# Altium PCB DTU_V1.0.PcbDoc (part 2 of 3)
Units mil, origin at the board's own origin, x right, y up, seen from the top; angles counter-clockwise.
Board outline 7874.02 x 4133.86 mil, 2 copper layers (Top Layer, Bottom Layer); 331 components, 284 nets, 1278 pads, 2035 vias.
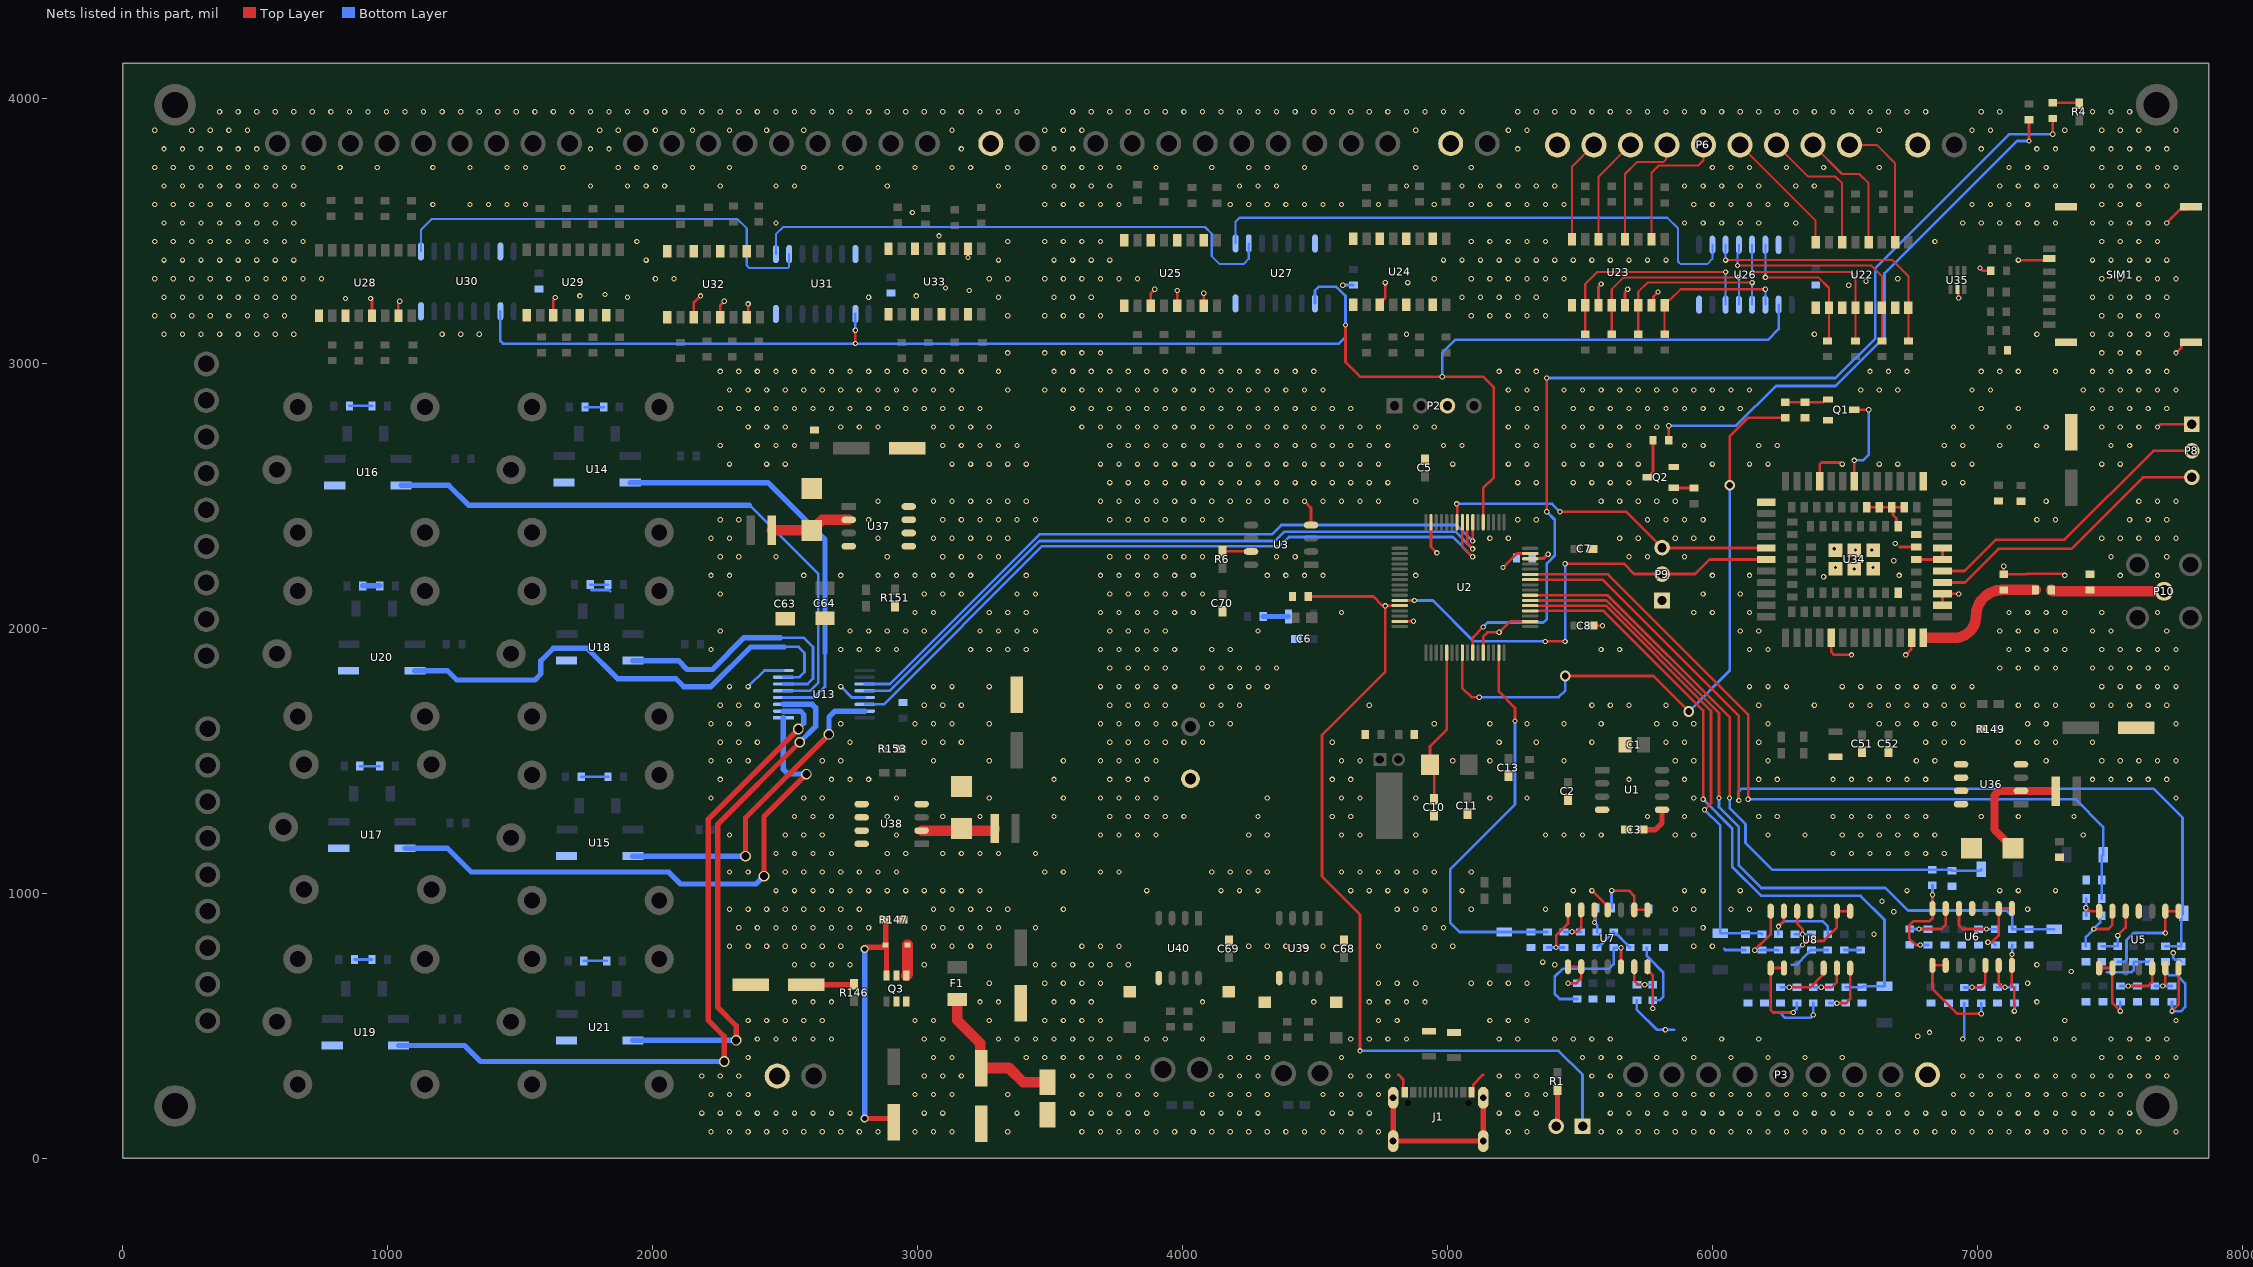
[diagram p2: the nets of this part, all layers, seen from the top]

## Via types
v1: diameter 20, hole 12, Top Layer to Bottom Layer, tented both sides, 1987 vias
v2: diameter 40, hole 25, Top Layer to Bottom Layer, tented both sides, 17 vias
v3: diameter 30, hole 20, Top Layer to Bottom Layer, tented both sides, 12 vias
v4: diameter 40, hole 30, Top Layer to Bottom Layer, tented both sides, 11 vias
v5: diameter 50, hole 30, Top Layer to Bottom Layer, tented both sides, 3 vias
v6: diameter 60, hole 50, Top Layer to Bottom Layer, tented both sides, 3 vias
v7: diameter 60, hole 40, Top Layer to Bottom Layer, tented both sides, 1 vias
v8: diameter 70, hole 50, Top Layer to Bottom Layer, tented both sides, 1 vias

## Nets (pads, with @x,y where several pads share a name; then routed paths per layer and width w, separated by ;. In a path a pad name is that pad's centre, name@x,y a point inside that pad or via, vN(x,y) a via of type N, cw(c..) or ccw(c..) an arc to the next point about the centre after c; other vN are vias at no path point) (continued)
AI_O1: C24.2 D6.1 R33.2 U2.15 | length 1527.7
  Top Layer w10: U2.15@5194.02,1908.46 5194.02,1760.98 5255,1700 v1(5255,1650)
  Bottom Layer w10: v1(5255,1650) 5255,1335 5010,1090 5010,890 5046.1,853.9 D6.1@5215,853.9 5314.84,853.9 C24.2@5315,854.06 R33.2@5377.5,854.06
AI_O2: C28.2 D8.1 R45.2 U2.20 | length 2501.1
  Top Layer w10: U2.20@5312.13,2065.94 5589.06,2065.94 5965,1690 v1(5965,1355)
  Bottom Layer w10: v1(5965,1355) 6075,1245 6075,1100 6185,990 6560,990 6650,900 D8.1@6650,648.9 6568.9,648.9 C28.2@6565,645 R45.2@6503.57,645
AI_O3: C30.2 D9.1 R51.2 U2.21 | length 1881.1
  Top Layer w10: U2.21@5312.13,2085.63 5598.16,2085.63 5995,1688.79 5995,1340 v1(5970,1315)
  Bottom Layer w10: v1(5970,1315) 6030,1255 D9.1@6030,848.9 6183.25,848.9 R51.2@6187.14,845
AI_O4: C16.2 D2.1 R9.2 U2.22 | length 2814.3
  Top Layer w10: U2.22@5312.13,2105.32 5599.69,2105.32 6025,1680 v1(6025,1360)
  Bottom Layer w10: v1(6025,1360) 6025,1325 6100,1250 6100,1105 6185,1020 6653.69,1020 6738.69,935 7110,935 7132.14,912.86 R9.2@7132.14,864.06 C16.2@7195.71,864.06 7195.87,863.9 D2.1@7290.71,863.9
AI_O5: C18.2 D3.1 R15.2 U2.23 | length 2378.8
  Top Layer w10: U2.23@5312.13,2125 5605,2125 6065,1665 v1(6065,1360)
  Bottom Layer w10: v1(6065,1360) 6065,1321.21 6125,1261.21 6125,1190 6225.94,1089.06 R15.2@6830,1089.06 6900.94,1089.06 C18.2@6905,1085 7010,1085 D3.1@7015,1090
AI_O6: C22.2 D5.1 R27.2 U2.26 | length 3627.1
  Top Layer w10: U2.26@5312.13,2184.06 5585.94,2184.06 6100,1670 v1(6100,1350)
  Bottom Layer w10: v1(6100,1350) 6100,1385 6110,1395 7665,1395 7774.45,1285.55 7774.45,920.55 7770,916.1 C22.2@7770,800 R27.2@7710,800
AI_O7: C26.2 D7.1 R39.2 U2.27 | length 3017.4
  Top Layer w10: U2.27@5312.13,2203.74 5606.26,2203.74 6135,1675 v1(6135,1355)
  Bottom Layer w10: v1(6135,1355) 7370,1355 7475,1250 D7.1@7475,1145 7470,1140 C26.2@7470,1050 R39.2@7470,980
ANT: C54.1 R139.1 U34.35 | length 512.9
  Top Layer w40: 6810,1964.72 6914.72,1964.72 ccw(c6914.72,2045) 6995,2045 cw(c7095,2045) 7095,2145 C54.1@7100,2145 R139.1@7220,2145
BOOT0: P1.1 R2.1 U2.60 | length 3271.2
  Top Layer w10: R2.1@4474.06,2120 4720,2120 4753.09,2086.91 4763.09,2086.91 v1(4765,2085) ; v1(4670,405) 4670,920 4526.57,1063.43 4526.57,1596.57 4765,1835 v1(4765,2085) ; U2.60@4820,2085.63 4765.63,2085.63 v1(4765,2085)
  Bottom Layer w10: v1(4670,405) 5420,405 5510,315 P1.1@5510,120
CP: U2.37 U26.2 U27.2 U30.2 U31.2 | length 6522.4
  Top Layer w10: v1(2765,3075) v1(2765,3125) ; v1(4615,3145) 4615,3005 4670,2950 5135,2950 5175,2910 5175,2570 5134.96,2529.96 U2.37@5134.96,2400.59
  Bottom Layer w10: U30.2@1425,3196.91 1425,3085 1435,3075 v1(2765,3075) 4590,3075 4615,3100 v1(4615,3145) 4615,3255 4580,3290 4515,3290 4500,3275 U27.2@4500,3226.91 ; v1(2765,3125) U31.2@2765,3186.91 ; v1(4980,2950) 4980,3040 5030,3090 6200,3090 6200.86,3089.14 6209.14,3089.14 6250,3130 U26.2@6250,3221.91
DBG_RXD: P8.3 U34.38 | length 1105.9
  Top Layer w10: U34.38@6868.43,2173.39 6953.39,2173.39 7080,2300 7355,2300 7625,2570 P8.3@7810,2570
DBG_TXD: P8.2 U34.39 | length 1129.3
  Top Layer w10: U34.39@6868.43,2216.69 6951.69,2216.69 7070,2335 7330,2335 7665,2670 P8.2@7810,2670
DI_0: P6.1 U22.2 | length 498.6
  Top Layer w8: P6.1@6517.36,3825 6620,3825 6690,3755 U22.2@6690,3458.03
DI_1: P6.2 U22.4 | length 492.5
  Top Layer w8: P6.2@6379.57,3825 6489.57,3715 6555,3715 6590,3680 U22.4@6590,3458.03
DI_2: P6.3 U22.6 | length 530.3
  Top Layer w8: P6.3@6241.77,3825 6361.77,3705 6465,3705 6490,3680 U22.6@6490,3458.03
DI_3: P6.4 U22.8 | length 485.4
  Top Layer w8: P6.4@6103.98,3825 6390,3538.98 U22.8@6390,3458.03
DI_4: P6.5 U23.2 | length 526.1
  Top Layer w8: U23.2@5770,3468.03 5770,3720 5797,3747 5947,3747 5966.18,3766.18 P6.5@5966.18,3825
DI_5: P6.6 U23.4 | length 481.2
  Top Layer w8: U23.4@5670,3468.03 5670,3715 5715,3760 5815,3760 5825.44,3770.44 5825.44,3822.05 P6.6@5828.39,3825
DI_6: P6.7 U23.6 | length 406.9
  Top Layer w8: U23.6@5570,3468.03 5570,3704.41 P6.7@5690.59,3825
DI_7: P6.8 U23.8 | length 391.3
  Top Layer w8: U23.8@5470,3468.03 5470,3742.2 P6.8@5552.8,3825
DI_IN0: R72.2 U22.16 U26.11 | length 1017.9
  Top Layer w8: v1(6050,3390) 6680,3390 6740,3330 U22.16@6740,3210 R72.2@6740,3085
  Bottom Layer w8: v1(6050,3390) U26.11@6050,3448.09
DI_IN1: R76.2 U22.14 U26.12 | length 886.7
  Top Layer w8: v1(6095,3370) 6600,3370 6640,3330 U22.14@6640,3210 R76.2@6640,3085
  Bottom Layer w8: v1(6095,3370) 6095,3415.96 6100,3420.96 U26.12@6100,3448.09
DI_IN2: R80.2 U22.12 U26.13 | length 741.4
  Top Layer w8: v1(6150,3345) 6520,3345 6540,3325 U22.12@6540,3210 R80.2@6540,3085
  Bottom Layer w8: v1(6150,3345) U26.13@6150,3448.09
DI_IN3: R84.2 U22.10 U26.14 | length 581.7
  Top Layer w8: v1(6200,3325) 6400,3325 6440,3285 U22.10@6440,3210 6440,3090 R84.2@6435,3085
  Bottom Layer w8: v1(6200,3325) U26.14@6200,3448.09
DI_IN4: R74.2 U23.16 U26.3 | length 577.6
  Top Layer w8: R74.2@5820,3110 U23.16@5820,3220 5820,3227.87 5831.75,3239.62 5839.62,3239.62 5880,3280 v1(6200,3280)
  Bottom Layer w8: U26.3@6200,3221.91 v1(6200,3280)
DI_IN5: R78.2 U23.14 U26.4 | length 687.6
  Top Layer w8: R78.2@5720,3110 U23.14@5720,3220 5720,3270 5755,3305 v1(6150,3305)
  Bottom Layer w8: U26.4@6150,3221.91 v1(6150,3305)
DI_IN6: R82.2 U23.12 U26.5 | length 771.7
  Top Layer w8: R82.2@5620,3110 U23.12@5620,3220 5620,3280 5665,3325 v1(6100,3325)
  Bottom Layer w8: U26.5@6100,3221.91 v1(6100,3325)
DI_IN7: R86.2 U23.10 U26.6 | length 861.7
  Top Layer w8: R86.2@5520,3110 U23.10@5520,3220 5520,3300 5565,3345 v1(6050,3345)
  Bottom Layer w8: U26.6@6050,3221.91 v1(6050,3345)
DO_0: U13.15 U15.2 | length 1224.9
  Top Layer w20: v4(2350,1140) 2350,1285 v4(2665,1600)
  Bottom Layer w20: U15.2@1925,1140 v4(2350,1140) ; v4(2665,1600) 2665,1665 2687.59,1687.59 U13.15@2800.09,1687.59
DO_1: U13.1 U17.2 | length 2163.7
  Top Layer w20: v4(2420,1065) 2420,1290 v4(2580,1450)
  Bottom Layer w20: U17.2@1065,1170 1225,1170 1315,1080 2060,1080 2105,1035 2390,1035 v4(2420,1065) ; U13.1@2493,1662 2493,1467 2510,1450 v4(2580,1450)
DO_2: U13.2 U19.2 | length 2821
  Top Layer w20: v4(2270,365) 2270,460 2210,520 2210,1280 v4(2550,1620)
  Bottom Layer w20: U19.2@1040,425 1290,425 1350,365 v4(2270,365) ; U13.2@2493,1687.59 2557.41,1687.59 2570,1675 2570,1641.72 2550,1621.72 v4(2550,1620)
DO_3: U13.3 U21.2 | length 1954.7
  Top Layer w20: v4(2315,445) 2315,500 2245,570 2245,1260 v4(2555,1570)
  Bottom Layer w20: U21.2@1925,445 v4(2315,445) ; U13.3@2493,1713.18 2601.82,1713.18 2615,1700 2615,1630 v4(2555,1570)
DO_4: U13.4 U14.2 | length 1553.1
  Bottom Layer w10: U13.4@2493,1738.77 2608.77,1738.77 2650,1780 2650,1907.24
  Bottom Layer w20: U14.2@1915,2550 2435,2550 2650,2335 2650,1907.24
DO_5: U13.5 U16.2 | length 2268.5
  Bottom Layer w10: 2365,2465 2625,2205 2625,1795 2594.36,1764.36 U13.5@2493,1764.36
  Bottom Layer w20: U16.2@1050,2540 1230,2540 1305,2465 2365,2465
DO_6: U13.6 U18.2 | length 998.2
  Bottom Layer w10: 2482.22,1965 2570,1965 2605,1930 2605,1810 2584.95,1789.95 U13.6@2493,1789.95
  Bottom Layer w20: U18.2@1925,1878 2097,1878 2130,1845 2225,1845 2345,1965 2482.22,1965
DO_7: U13.7 U20.2 | length 1856.3
  Bottom Layer w10: U13.7@2493,1815.54 2553.92,1815.54 2572.77,1834.39 2572.77,1907.23 2550,1930 2497.53,1930
  Bottom Layer w20: U20.2@1102.09,1840 1225,1840 1260.07,1804.93 1554.93,1804.93 1577.45,1827.45 1577.45,1877.45 1625,1925 1751.72,1925 1866.72,1810 2087.05,1810 2117.05,1780 2220,1780 2370,1930 2497.53,1930
DS1: U26.10 U27.9 | length 2095.2
  Bottom Layer w8: U27.9@4200,3453.09 4200,3535 4215,3550 5830,3550 5870,3510 5870,3385 5880,3375 5980,3375 6000,3395 U26.10@6000,3448.09
DS2: U30.9 U31.10 | length 1697.3
  Bottom Layer w8: U30.9@1125,3423.09 1125,3505 1165,3545 2320,3545 2355,3510 2355,3370 2365,3360 2510,3360 2515,3365 U31.10@2515,3413.09
DS3: U27.10 U31.9 | length 2044.7
  Bottom Layer w8: U31.9@2465,3413.09 2465,3487.11 2492.89,3515 4084.93,3515 4110,3489.93 4110,3405 4140,3375 4230,3375 4250,3395 U27.10@4250,3453.09
EARTH: J1.1 | length 666.9
  Top Layer w20: J1.1@4794.92,228 J1.1@4794.92,64.62 J1.1@5135.08,64.62 J1.1@5135.08,228
GND: C1.1 C2.1 C3.2 C4.2 C5.1 C6.1 C7.1 C8.1 C9.2 C10.2 C11.2 C12.2 C13.1 C14.2 C15.1 C16.1 C17.1 C18.1 C19.1 C20.1 C21.1 C22.1 C23.1 C24.1 C25.1 C26.1 C27.1 C28.1 C29.1 C30.1 C33.2 C44.1 C45.1 C46.1 C47.1 C48.2 C49.1 C50.1 C51.1 C52.1 C53.2 C54.2 C55.1 C56.2 C57.2 C59.1 C60.2 C61.2 C62.2 C63.2 C64.2 C65.2 C66.1 C67.2 C68.2 C69.2 C70.1 D19.1 D20.1 D21.1 D22.1 D24.1 D25.1 D26.1 D27.1 D28.1 D29.1 D30.1 J1.A1 J1.A12 J1.B1 J1.B12 P2.3 P3.9 P6.9 P8.1 P9.1 P11.2 P13.2 P15.2 P16.1 Q1.2 Q2.2 R2.2 R8.1 R11.2 R12.2 R14.1 R18.2 R19.2 R20.1 R23.2 R24.2 R26.1 R30.2 R31.2 R32.1 R35.2 R36.2 R38.1 R42.2 R43.2 R44.1 R47.2 R48.2 R50.1 R53.2 R54.2 R136.1 R147.1 R149.1 R151.1 R153.1 SIM1.0 SIM1.5 U1.4 U2.12 U2.18 U2.31 U2.47 U2.63 U3.4 U5.11 U6.11 U7.11 U8.11 U13.8 U13.13 U14.3 U15.3 U16.3 U17.3 U18.3 U19.3 U20.3 U21.3 U22.9 U22.11 U22.13 U22.15 U23.9 U23.11 U23.13 U23.15 U24.2 U24.4 U24.6 U24.8 U24.9 U24.11 U24.13 U24.15 U25.2 U25.4 U25.6 U25.8 U25.9 U25.11 U25.13 U25.15 U26.8 U26.15 U27.8 U27.15 U28.9 U28.11 U28.13 U28.15 U29.9 U29.11 U29.13 U29.15 U30.8 U30.15 U31.8 U31.15 U32.2 U32.4 U32.6 U32.8 U32.9 U32.11 U32.13 U32.15 U33.2 U33.4 U33.6 U33.8 U33.9 U33.11 U33.13 U33.15 U34.1 U34.10 U34.27 U34.34 U34.36 U34.37 U34.40 U34.41 U34.45 U34.46 U34.47 U34.48 U34.70 U34.71 U34.72 U34.73 U34.88 U34.89 U34.90 U34.91 U34.92 U34.93 U34.94 U34.95 U35.2 U36.4 U36.5 U36.6 U36.7 U36.8 U37.4 U37.5 U37.6 U37.7 U37.8 U38.4 U38.5 U38.6 U38.7 U38.8 U39.5 U40.5 | length 5145.6
  Top Layer w10: v1(935,3245) 935,3242.29 940,3237.29 U28.13@940,3180 ; U28.15@1040,3180 1040,3227.29 1045,3232.29 v1(1045,3235) ; U29.11@1625,3181.97 1625,3238.87 1632.15,3246.02 v1(1632.15,3248.72) ; U32.11@2155,3175 2155,3230 v1(2180,3255) ; U32.13@2255,3175 2255,3220 v1(2270,3235) ; U32.15@2355,3175 2360,3180 v1(2360,3225) ; v1(3190,3400) U33.2@3190,3433.03 ; U25.11@3880,3216.97 3880,3265 v1(3895,3280) ; U25.13@3980,3216.97 v1(3980,3275) ; U25.15@4080,3216.97 v1(4080,3265) ; v1(4460,2480) 4485,2455 U3.4@4485,2390 ; U24.11@4745,3221.97 4745,3229.84 4755.75,3240.59 4759.14,3240.59 4765,3246.45 v1(4765,3305) ; 4815,315 4833.11,296.89 J1.B12@4833.11,249 J1.A1@4844.92,249 ; U2.63@4820,2026.57 v1(4871.57,2026.57) ; U2.47@4938.11,2400.59 4938.11,2306.89 v1(4960,2285) ; J1.B1@5085.08,249 J1.A12@5096.89,249 5096.89,276.89 5135,315 ; U2.12@5134.96,1908.46 5134.96,1969.61 5150.36,1985 v1(5195,1985) 5236.57,2026.57 U2.18@5312.13,2026.57 ; v1(5210,2230) 5262.48,2282.48 U2.31@5312.13,2282.48 ; v1(5545,1010) 5594.17,960.83 5594.5,960.83 5605,950.33 U7.11@5605,937.28 ; C8.1@5545.98,2010 v1(5585,2010) ; U23.11@5570,3220 5570,3289.14 5580,3299.14 v1(5580,3300) ; U23.13@5670,3220 5670,3269.14 5680,3279.14 v1(5680,3280) ; U23.15@5770,3220 5777.76,3227.76 5777.76,3252.76 v1(5795,3270) ; U34.10@6405.83,2555.28 6405.83,2619.97 6411.69,2625.83 6481.46,2625.83 6487.29,2620 v1(6490,2620) ; U34.27@6449.14,1964.72 6449.14,1910.86 6460,1900 v1(6525,1900) ; U34.48@6582.99,2456.85 U34.47@6630.24,2456.85 U34.46@6677.48,2456.85 ; U34.73@6701.1,2385.98 6695.22,2391.86 6695.22,2414.78 6681.98,2428.02 6681.98,2452.35 U34.46@6677.48,2456.85 ; 6707.76,2307.24 U34.71@6770,2307.24 ; U34.45@6724.73,2456.85 U34.46@6677.48,2456.85 ; v1(6730,1900) 6750.14,1920.14 6750.14,1962.57 U34.34@6752.29,1964.72 ; U34.70@6770,2260 U34.40@6868.43,2260 U34.41@6868.43,2303.31 ; U34.36@6868.43,2086.77 U34.37@6868.43,2130.08 v1(6929.92,2130.08) ; U35.2@6925,3278.58 6927.87,3275.71 6927.87,3251.88 6930.2,3249.56 v1(6930.2,3246.85) ; v1(7010,3360) 7020,3350 C55.1@7050.94,3350 ; v1(7100,2234.66) C54.2@7100,2204.06 7184.9,2204.06 7187.58,2206.73 7320.56,2206.73 7327.29,2200 v1(7330,2200) ; v1(7155,3390) 7265.67,3390 SIM1.5@7271.42,3395.75 ; v1(7680,2760) 7680.86,2760 7690.86,2770 P8.1@7810,2770 ; v1(7715,3530) 7767.64,3582.64 7798.66,3582.64 SIM1.0@7807.44,3591.42 ; v1(7750,3040) 7771.1,3061.1 7771.1,3071.22 7779.88,3080 SIM1.0@7807.44,3080
  Bottom Layer w10: v1(2360,1780) 2421.13,1841.13 U13.8@2493,1841.13 ; v1(2710,1780) 2751.23,1738.77 U13.13@2800.09,1738.77 ; v1(4605,3295) 4605.94,3295.94 C46.1@4645,3295.94 ; R35.2@5565,795 5573.78,803.78 5577.22,803.78 5615.77,842.32 5615.77,845.28 5624.55,854.06 R23.2@5627.5,854.06 5636.28,845.28 5639.72,845.28 5678.27,806.73 5678.27,803.78 5687.05,795 C23.1@5690,795 ; R20.1@5715,595.94 5715,560 5790,485 5855,485 ; 6045,790 6049.06,785.94 C30.1@6125,785.94 ; 6255,550 6275,530 6369.86,530 6380.57,540.71 v1(6380.71,540.71) R44.1@6380.71,585.94 ; 6300,730 6317.63,730 6361.84,774.21 6361.84,777.17 6370.62,785.94 R53.2@6373.57,785.94 R50.1@6435.71,785.94 ; R54.2@6497.86,785.94 C29.1@6560,785.94 ; v1(6945,450) 6945,452.71 6950.71,458.42 R11.2@6950.71,585 ; 7488.27,702.17 7582.17,702.17 7590,710 C25.1@7590,740.94 R43.2@7650,740.94 ; v1(7740,775) 7740,755 7746.16,748.83 7762.11,748.83 C22.1@7770,740.94
  other v1: 2220,100 2290,100 2360,100 2430,100 2500,100 2570,100 2640,100 2710,100 2780,100 2850,100 2990,100 3060,100 3130,100 3340,100 3620,100 3690,100 3760,100 3830,100 3900,100 3970,100 4040,100 4110,100 4180,100 4250,100 4320,100 4390,100 4460,100 4530,100 4600,100 4670,100 4740,100 5230,100 5300,100 5580,100 5650,100 5720,100 5790,100 5860,100 5930,100 6000,100 6070,100 6140,100 6210,100 6280,100 6350,100 6420,100 6490,100 6560,100 6630,100 6700,100 6770,100 6840,100 6910,100 6980,100 7050,100 7120,100 7190,100 7260,100 7330,100 7400,100 7470,100 7540,100 7610,100 7750,100 2185,170 2255,170 2325,170 2395,170 2465,170 2535,170 2605,170 2675,170 2745,170 3025,170 3095,170 3375,170 3585,170 3655,170 3725,170 3795,170 3865,170 4075,170 4145,170 4215,170 4285,170 4565,170 4635,170 4705,170 5195,170 5265,170 5335,170 5615,170 5685,170 5755,170 5825,170 5895,170 5965,170 6035,170 6105,170 6175,170 6245,170 6315,170 6385,170 6455,170 6525,170 6595,170 6665,170 6735,170 6805,170 6875,170 6945,170 7015,170 7085,170 7155,170 7225,170 7295,170 7365,170 7435,170 7505,170 7575,170 2220,240 2290,240 2360,240 2990,240 3060,240 3130,240 3340,240 3620,240 3690,240 3760,240 3830,240 3900,240 4110,240 4180,240 4250,240 4320,240 4530,240 4600,240 4670,240 4740,240 5230,240 5300,240 5370,240 5580,240 5650,240 5720,240 5790,240 5860,240 5930,240 6000,240 6070,240 6140,240 6210,240 6280,240 6350,240 6420,240 6490,240 6560,240 6630,240 6700,240 6910,240 6980,240 7050,240 7120,240 7190,240 7260,240 7330,240 7400,240 7470,240 7540,240 2185,310 2255,310 2325,310 3025,310 3095,310 3165,310 3585,310 3655,310 3725,310 3795,310 4145,310 4215,310 4285,310 4635,310 4705,310 4775,310 5195,310 5265,310 5335,310 5545,310 5615,310 6945,310 7015,310 7085,310 7155,310 7225,310 7295,310 7365,310 7435,310 7505,310 7575,310 7645,310 7715,310 2360,380 3060,380 3130,380 3410,380 3480,380 3550,380 3620,380 3690,380 3760,380 3830,380 4180,380 4250,380 4320,380 4600,380 5510,380 5580,380 5650,380 5790,380 5930,380 6070,380 6210,380 6350,380 6490,380 7470,380 7540,380 7610,380 7680,380 7750,380 2395,450 2465,450 2535,450 2605,450 2675,450 3025,450 3095,450 3305,450 3375,450 3445,450 3515,450 3585,450 3655,450 3725,450 3865,450 3935,450 4075,450 4635,450 4705,450 4775,450 4845,450 5195,450 5265,450 5405,450 5475,450 5545,450 5615,450 5895,450 6035,450 6175,450 7015,450 7085,450 7155,450 7295,450 7365,450 7505,450 7575,450 7645,450 7715,450 6775,460 6820,475 5822.5,485 2360,520 2430,520 2500,520 2570,520 2640,520 2990,520 3060,520 3270,520 3480,520 3550,520 3620,520 3690,520 4740,520 4810,520 5160,520 5230,520 5300,520 7330,520 7750,520 2535,590 2605,590 2675,590 3235,590 3305,590 3515,590 3585,590 3655,590 4075,590 4495,590 4705,590 4775,590 4845,590 4915,590 7225,590 3270,660 3480,660 3550,660 3620,660 3690,660 4740,660 4810,660 4880,660 5090,660 5160,660 5230,660 5300,660 7190,660 7355,705 2535,730 2605,730 2675,730 2745,730 3025,730 3445,730 3515,730 3585,730 3655,730 3725,730 3795,730 5405,730 7225,730 5360,740 2290,800 2360,800 2430,800 2500,800 2570,800 2640,800 2710,800 3060,800 3130,800 3200,800 3270,800 3620,800 3690,800 3760,800 4250,800 4320,800 4390,800 4460,800 4530,800 4740,800 4950,800 5020,800 5930,800 6000,800 6610,845 2325,870 2395,870 2465,870 2535,870 2605,870 2675,870 2745,870 2815,870 3025,870 3095,870 3165,870 3235,870 3305,870 3445,870 4915,870 4985,870 5965,870 6685,930 2290,940 2360,940 2430,940 2500,940 2570,940 2640,940 2710,940 2780,940 3060,940 3130,940 3200,940 3270,940 3340,940 3550,940 4810,940 4880,940 4950,940 5090,940 5370,940 5860,940 5930,940 6070,940 6140,940 7190,940 6640,970 2465,1010 2535,1010 2605,1010 2675,1010 2745,1010 2815,1010 2885,1010 2955,1010 3025,1010 3095,1010 3165,1010 3235,1010 3865,1010 4145,1010 4215,1010 4285,1010 4635,1010 4705,1010 4775,1010 4845,1010 4915,1010 5055,1010 5475,1010 5895,1010 5965,1010 6105,1010 6735,1010 7085,1010 7155,1010 7295,1010 2290,1080 2360,1080 2500,1080 2570,1080 2640,1080 2710,1080 2780,1080 2850,1080 2920,1080 3480,1080 3550,1080 3690,1080 3760,1080 4110,1080 4180,1080 4250,1080 4320,1080 4600,1080 4670,1080 4740,1080 4810,1080 4880,1080 4950,1080 5090,1080 2465,1150 2535,1150 2605,1150 2675,1150 2885,1150 2955,1150 3095,1150 3165,1150 3235,1150 3305,1150 3445,1150 6455,1150 6525,1150 6595,1150 6665,1150 6735,1150 6805,1150 6875,1150 2290,1220 2500,1220 2570,1220 2640,1220 2920,1220 3690,1220 3760,1220 3830,1220 3900,1220 4250,1220 4320,1220 4600,1220 4670,1220 4880,1220 5370,1220 5440,1220 5510,1220 5580,1220 5860,1220 5930,1220 6210,1220 6350,1220 6490,1220 6560,1220 6630,1220 6700,1220 6770,1220 6840,1220 7400,1220 2535,1290 2605,1290 2675,1290 2885,1290 3095,1290 3235,1290 3515,1290 3725,1290 3795,1290 3865,1290 3935,1290 4005,1290 4285,1290 4565,1290 4635,1290 5755,1290 5895,1290 6175,1290 6245,1290 6455,1290 6525,1290 6595,1290 6665,1290 6735,1290 6805,1290 7015,1290 7155,1290 7365,1290 2220,1360 2570,1360 2640,1360 2920,1360 3270,1360 3550,1360 3690,1360 3760,1360 3830,1360 3900,1360 4320,1360 4600,1360 4670,1360 4880,1360 5160,1360 5300,1360 5930,1360 7750,1360 2255,1430 2675,1430 2745,1430 2815,1430 3515,1430 3725,1430 3795,1430 3865,1430 4565,1430 4635,1430 5685,1430 5895,1430 6175,1430 6245,1430 6455,1430 6525,1430 6595,1430 6665,1430 6735,1430 6805,1430 7435,1430 7505,1430 7575,1430 7645,1430 7715,1430 2220,1500 2290,1500 2360,1500 2640,1500 2710,1500 3060,1500 3270,1500 3550,1500 3690,1500 3760,1500 3830,1500 3900,1500 4600,1500 4670,1500 5020,1500 5160,1500 5440,1500 5860,1500 5930,1500 6210,1500 6770,1500 6840,1500 7260,1500 7470,1500 7540,1500 7610,1500 7680,1500 7750,1500 2255,1570 2325,1570 2395,1570 2745,1570 3025,1570 3095,1570 3165,1570 3725,1570 3795,1570 3865,1570 3935,1570 4005,1570 4075,1570 4565,1570 5195,1570 5335,1570 5545,1570 5825,1570 5895,1570 6175,1570 6805,1570 6875,1570 6945,1570 7155,1570 7225,1570 7295,1570 7435,1570 2220,1640 2290,1640 2360,1640 2710,1640 2990,1640 3060,1640 3130,1640 3270,1640 3690,1640 3760,1640 3830,1640 3900,1640 3970,1640 4110,1640 4180,1640 4950,1640 5160,1640 5300,1640 5440,1640 5580,1640 5790,1640 5860,1640 5930,1640 6210,1640 6630,1640 6700,1640 6770,1640 6840,1640 6910,1640 7190,1640 7260,1640 7750,1640 2255,1710 2325,1710 2395,1710 3025,1710 3095,1710 3165,1710 3725,1710 3795,1710 3865,1710 3935,1710 4075,1710 4145,1710 4215,1710 4705,1710 5545,1710 5615,1710 5685,1710 5825,1710 6175,1710 6385,1710 6525,1710 6595,1710 6665,1710 6735,1710 6805,1710 6875,1710 6945,1710 7155,1710 7225,1710 7295,1710 7435,1710 7505,1710 7575,1710 7645,1710 7715,1710 2290,1780 3060,1780 3130,1780 3270,1780 3690,1780 3760,1780 3830,1780 3900,1780 3970,1780 4110,1780 4180,1780 4250,1780 4320,1780 6140,1780 6210,1780 6280,1780 6490,1780 6560,1780 6630,1780 6700,1780 6770,1780 6840,1780 6910,1780 6980,1780 7470,1780 7540,1780 7610,1780 7680,1780 7750,1780 3725,1850 3795,1850 3865,1850 3935,1850 4075,1850 4145,1850 4215,1850 4285,1850 4355,1850 7085,1850 7155,1850 7225,1850 7295,1850 7435,1850 7505,1850 7575,1850 7645,1850 7715,1850 2220,1920 2710,1920 2780,1920 2850,1920 2920,1920 3200,1920 3270,1920 3340,1920 3410,1920 3690,1920 3760,1920 3830,1920 3900,1920 3970,1920 4110,1920 4180,1920 5580,1920 5650,1920 6140,1920 6210,1920 7120,1920 7190,1920 7260,1920 7330,1920 7470,1920 7540,1920 7610,1920 7680,1920 7750,1920 2255,1990 2745,1990 2815,1990 2885,1990 2955,1990 3025,1990 3235,1990 3305,1990 3375,1990 3445,1990 3725,1990 3795,1990 3865,1990 3935,1990 4285,1990 6105,1990 6175,1990 7085,1990 7155,1990 7225,1990 7295,1990 7435,1990 7505,1990 7715,1990 2990,2060 3060,2060 3270,2060 3340,2060 3410,2060 3690,2060 3760,2060 3830,2060 3900,2060 3970,2060 4040,2060 4600,2060 5930,2060 6000,2060 6140,2060 7120,2060 7190,2060 7260,2060 7330,2060 7470,2060 7680,2060 2255,2130 3025,2130 3095,2130 3165,2130 3375,2130 3445,2130 3725,2130 3795,2130 3865,2130 3935,2130 4005,2130 4075,2130 5965,2130 6105,2130 6420,2195 2220,2200 2290,2200 2570,2200 2710,2200 2850,2200 2920,2200 2990,2200 3060,2200 3130,2200 3200,2200 3410,2200 3690,2200 3760,2200 3830,2200 3900,2200 3970,2200 4040,2200 4320,2200 4390,2200 4460,2200 4530,2200 4880,2200 6000,2200 6140,2200 6705,2200 7540,2200 7680,2200 6535.75,2224.57 6464.88,2229.57 6606.62,2229.57 6685,2255 2255,2270 2325,2270 2465,2270 2885,2270 3095,2270 3165,2270 3235,2270 3305,2270 3725,2270 3795,2270 3865,2270 3935,2270 4005,2270 4075,2270 4355,2270 4425,2270 5685,2270 5755,2270 5895,2270 7505,2270 7715,2270 6540.75,2295.43 6601.62,2295.43 6459.88,2300.43 6690,2320 2220,2340 2290,2340 2850,2340 3060,2340 3130,2340 3200,2340 3270,2340 3340,2340 5160,2340 5230,2340 5650,2340 5720,2340 5860,2340 5930,2340 6000,2340 7470,2340 7540,2340 7610,2340 7680,2340 7750,2340 2255,2410 2325,2410 2815,2410 3095,2410 3165,2410 3235,2410 3305,2410 3375,2410 3445,2410 3725,2410 3795,2410 3865,2410 3935,2410 4005,2410 4075,2410 4145,2410 5265,2410 5335,2410 5755,2410 5825,2410 5895,2410 5965,2410 7225,2410 7295,2410 7575,2410 7645,2410 7715,2410 2850,2480 3060,2480 3130,2480 3200,2480 3270,2480 3340,2480 3410,2480 3690,2480 3760,2480 3830,2480 3900,2480 3970,2480 4040,2480 4110,2480 4180,2480 4250,2480 4320,2480 4390,2480 4530,2480 4600,2480 4670,2480 4740,2480 4880,2480 5580,2480 5650,2480 5720,2480 5790,2480 5860,2480 7260,2480 7610,2480 7680,2480 7750,2480 3725,2550 3795,2550 3865,2550 3935,2550 4005,2550 4075,2550 4145,2550 4215,2550 4285,2550 4355,2550 4425,2550 4495,2550 4565,2550 4635,2550 4705,2550 4775,2550 5265,2550 5335,2550 5475,2550 5545,2550 5615,2550 5685,2550 6875,2550 6945,2550 2290,2620 2430,2620 2500,2620 3130,2620 3200,2620 3270,2620 3340,2620 3410,2620 3690,2620 3760,2620 3830,2620 3900,2620 3970,2620 4040,2620 4110,2620 4180,2620 4250,2620 4320,2620 4390,2620 4460,2620 4530,2620 4600,2620 4670,2620 4740,2620 5020,2620 5230,2620 5300,2620 5440,2620 5510,2620 5580,2620 5650,2620 5720,2620 6000,2620 6140,2620 6210,2620 6630,2620 6700,2620 6910,2620 6980,2620 7470,2620 7540,2620 2255,2690 2395,2690 2465,2690 2535,2690 3095,2690 3165,2690 3235,2690 3305,2690 3375,2690 3725,2690 3795,2690 3865,2690 3935,2690 4005,2690 4075,2690 4145,2690 4215,2690 4285,2690 4355,2690 4425,2690 4495,2690 4565,2690 4635,2690 4705,2690 4775,2690 4985,2690 5055,2690 5265,2690 5335,2690 5475,2690 5545,2690 5615,2690 5685,2690 5895,2690 5965,2690 6175,2690 6245,2690 6875,2690 6945,2690 7085,2690 7225,2690 7505,2690 7575,2690 2360,2760 2430,2760 2500,2760 2710,2760 2780,2760 2850,2760 3060,2760 3130,2760 3200,2760 3270,2760 3620,2760 3690,2760 3760,2760 3830,2760 3900,2760 3970,2760 4040,2760 4110,2760 4180,2760 4250,2760 4320,2760 4390,2760 4460,2760 4530,2760 4600,2760 4670,2760 4740,2760 4880,2760 4950,2760 5230,2760 5300,2760 5440,2760 5510,2760 5580,2760 5650,2760 5720,2760 5790,2760 6910,2760 6980,2760 7120,2760 7260,2760 7470,2760 7540,2760 7610,2760 2255,2830 2325,2830 2395,2830 2465,2830 2535,2830 2605,2830 2675,2830 2745,2830 2815,2830 2885,2830 2955,2830 3025,2830 3095,2830 3165,2830 3235,2830 3585,2830 3655,2830 3725,2830 3795,2830 3865,2830 3935,2830 4005,2830 4075,2830 4145,2830 4215,2830 4285,2830 4355,2830 4425,2830 4495,2830 4565,2830 4635,2830 5265,2830 5335,2830 5475,2830 5545,2830 5615,2830 5685,2830 5755,2830 5825,2830 5895,2830 5965,2830 6035,2830 6105,2830 7015,2830 7155,2830 7435,2830 7505,2830 7575,2830 7645,2830 7715,2830 2290,2900 2360,2900 2430,2900 2500,2900 2570,2900 2640,2900 2710,2900 2780,2900 2850,2900 2920,2900 2990,2900 3060,2900 3130,2900 3340,2900 3480,2900 3550,2900 3620,2900 3690,2900 3760,2900 3830,2900 3900,2900 3970,2900 4040,2900 4110,2900 4180,2900 4250,2900 4320,2900 4390,2900 4460,2900 4530,2900 5230,2900 5300,2900 5440,2900 5510,2900 5580,2900 5650,2900 5720,2900 5790,2900 5860,2900 5930,2900 6000,2900 6070,2900 6140,2900 6560,2900 6630,2900 6700,2900 6980,2900 7050,2900 7400,2900 7470,2900 7540,2900 7610,2900 7680,2900 7750,2900 2255,2970 2325,2970 2395,2970 2465,2970 2535,2970 2605,2970 2675,2970 2745,2970 2815,2970 2885,2970 2955,2970 3025,2970 3095,2970 3165,2970 3305,2970 3515,2970 3585,2970 3655,2970 3725,2970 3795,2970 3865,2970 3935,2970 4005,2970 4075,2970 4145,2970 4215,2970 4285,2970 4355,2970 4425,2970 4495,2970 5195,2970 5265,2970 5335,2970 6595,2970 6665,2970 6735,2970 7015,2970 7085,2970 7155,2970 7295,2970 7435,2970 7505,2970 7575,2970 7645,2970 7715,2970 3340,3040 3480,3040 3550,3040 3620,3040 3690,3040 7470,3040 7540,3040 7610,3040 155,3110 225,3110 295,3110 365,3110 435,3110 505,3110 575,3110 645,3110 1205,3110 1275,3110 1345,3110 4845,3110 6385,3110 7225,3110 7435,3110 7505,3110 7575,3110 7645,3110 7715,3110 120,3180 190,3180 260,3180 330,3180 400,3180 470,3180 540,3180 610,3180 3340,3180 3480,3180 3550,3180 3620,3180 3690,3180 5090,3180 5160,3180 5230,3180 5300,3180 5370,3180 7470,3180 7540,3180 7610,3180 7680,3180 840,3245 155,3250 225,3250 295,3250 365,3250 435,3250 505,3250 575,3250 645,3250 1905,3250 2815,3250 3305,3250 3515,3250 3585,3250 3655,3250 5055,3250 5125,3250 5195,3250 5265,3250 5335,3250 7435,3250 7505,3250 7575,3250 7645,3250 7715,3250 1725,3255 2995,3255 1820,3260 3195,3275 3105,3285 6515,3295 4850,3305 6580,3310 120,3320 190,3320 260,3320 330,3320 400,3320 470,3320 540,3320 610,3320 680,3320 750,3320 2010,3320 2080,3320 3270,3320 3340,3320 3480,3320 3550,3320 3620,3320 3690,3320 3760,3320 3830,3320 4950,3320 5090,3320 5160,3320 5230,3320 5300,3320 5370,3320 5440,3320 6700,3320 7470,3320 7540,3320 7610,3320 7680,3320 7750,3320 155,3390 225,3390 295,3390 365,3390 435,3390 505,3390 575,3390 645,3390 1975,3390 3305,3390 3515,3390 3585,3390 3655,3390 3725,3390 4985,3390 5055,3390 5125,3390 5195,3390 5265,3390 5335,3390 5405,3390 5475,3390 5545,3390 5615,3390 5685,3390 5755,3390 5825,3390 7435,3390 7505,3390 7575,3390 7645,3390 7715,3390 120,3460 190,3460 260,3460 330,3460 400,3460 470,3460 540,3460 610,3460 680,3460 1940,3460 3340,3460 3480,3460 3550,3460 3620,3460 3690,3460 5090,3460 5160,3460 5230,3460 5300,3460 5370,3460 6840,3460 7470,3460 7540,3460 7610,3460 7680,3460 3080.75,3481.65 155,3530 225,3530 295,3530 365,3530 435,3530 505,3530 575,3530 645,3530 2465,3530 5895,3530 5965,3530 6035,3530 6105,3530 6175,3530 6315,3530 6945,3530 7015,3530 7085,3530 7155,3530 7225,3530 7295,3530 7435,3530 7505,3530 7575,3530 7645,3530 2980,3570 120,3600 190,3600 260,3600 330,3600 400,3600 470,3600 540,3600 610,3600 680,3600 1170,3600 1310,3600 1380,3600 1450,3600 1520,3600 3480,3600 3550,3600 3620,3600 3690,3600 3760,3600 4180,3600 4250,3600 4320,3600 4390,3600 4460,3600 4530,3600 4600,3600 4740,3600 4950,3600 5090,3600 5160,3600 5230,3600 5300,3600 5370,3600 5440,3600 5930,3600 6000,3600 6070,3600 6140,3600 6210,3600 6280,3600 6980,3600 7050,3600 7120,3600 7190,3600 7470,3600 7540,3600 7610,3600 155,3670 225,3670 295,3670 365,3670 435,3670 505,3670 575,3670 645,3670 1765,3670 1905,3670 1975,3670 2045,3670 2255,3670 2465,3670 2535,3670 2885,3670 3305,3670 3515,3670 3585,3670 3655,3670 3725,3670 4215,3670 4285,3670 4355,3670 4845,3670 5055,3670 5125,3670 5195,3670 5265,3670 5335,3670 5405,3670 5895,3670 5965,3670 6035,3670 6105,3670 6175,3670 6315,3670 6385,3670 7085,3670 7155,3670 7225,3670 7295,3670 7435,3670 7505,3670 7575,3670 7645,3670 7715,3670 120,3740 190,3740 260,3740 330,3740 400,3740 470,3740 540,3740 610,3740 680,3740 820,3740 960,3740 1170,3740 1310,3740 1450,3740 1520,3740 1660,3740 1870,3740 1940,3740 2010,3740 2150,3740 2290,3740 2570,3740 2710,3740 2850,3740 2990,3740 3130,3740 3200,3740 3340,3740 3480,3740 3550,3740 3620,3740 3690,3740 3760,3740 3900,3740 4110,3740 4250,3740 4320,3740 4460,3740 4880,3740 5090,3740 6000,3740 6070,3740 6140,3740 6280,3740 6420,3740 6630,3740 7120,3740 7190,3740 7260,3740 7470,3740 7540,3740 7610,3740 7680,3740 7750,3740 155,3810 225,3810 295,3810 365,3810 435,3810 505,3810 1765,3810 1835,3810 3165,3810 3515,3810 3585,3810 5265,3810 7015,3810 7225,3810 7295,3810 7435,3810 7505,3810 7575,3810 7645,3810 7715,3810 120,3880 260,3880 330,3880 400,3880 470,3880 1800,3880 1870,3880 2010,3880 2150,3880 2290,3880 2430,3880 2570,3880 3130,3880 3480,3880 3550,3880 3620,3880 4880,3880 5230,3880 5300,3880 6630,3880 6980,3880 7050,3880 7330,3880 7470,3880 7540,3880 7610,3880 7750,3880 365,3950 435,3950 505,3950 575,3950 645,3950 715,3950 785,3950 855,3950 925,3950 995,3950 1065,3950 1135,3950 1205,3950 1275,3950 1345,3950 1415,3950 1485,3950 1555,3950 1625,3950 1695,3950 1765,3950 1835,3950 1905,3950 1975,3950 2045,3950 2115,3950 2185,3950 2255,3950 2325,3950 2395,3950 2465,3950 2535,3950 2605,3950 2675,3950 2745,3950 2815,3950 2885,3950 2955,3950 3025,3950 3095,3950 3165,3950 3235,3950 3305,3950 3375,3950 3585,3950 3655,3950 3725,3950 3795,3950 3865,3950 3935,3950 4005,3950 4075,3950 4145,3950 4215,3950 4285,3950 4355,3950 4425,3950 4495,3950 4565,3950 4635,3950 4705,3950 4775,3950 4845,3950 4915,3950 4985,3950 5055,3950 5265,3950 5335,3950 5405,3950 5475,3950 5545,3950 5615,3950 5685,3950 5755,3950 5825,3950 5895,3950 5965,3950 6035,3950 6105,3950 6175,3950 6245,3950 6315,3950 6385,3950 6455,3950 6525,3950 6595,3950 6665,3950 6735,3950 6805,3950 7015,3950 7085,3950 7435,3950 7505,3950 7575,3950
in: C10.1 U2.5 Y1.1 | length 586
  Top Layer w10: C10.1@4950,1355 4950,1469.33 Y1.1@4934.33,1485 4934.33,1554.33 4997.17,1617.17 U2.5@4997.17,1908.46
IN_RCK: U2.40 U13.12 | length 2679.9
  Top Layer w10: U2.40@5075.91,2400.59 5075.91,2374.51 5075,2373.6 5075,2321.72 5095,2301.72 v1(5095,2300)
  Bottom Layer w10: U13.12@2800.09,1764.36 2894.36,1764.36 3460,2330 4349.19,2330 4384.19,2365 5030,2365 v1(5095,2300)
IN_SCK: U2.39 U13.11 | length 2639.1
  Top Layer w10: v1(5095,2330) 5095,2373.13 5095.24,2373.37 5095.24,2400.24 U2.39@5095.59,2400.59
  Bottom Layer w10: U13.11@2800.09,1789.95 2894.95,1789.95 3460,2355 4337.91,2355 4372.91,2390 5035,2390 v1(5095,2330)
IN_SI: U2.41 U13.14 | length 2734.3
  Top Layer w10: U2.41@5056.22,2400.59 5056.22,2308.78 v1(5095,2270)
  Bottom Layer w10: U13.14@2800.09,1713.18 2873.18,1713.18 3470,2310 4366.54,2310 4401.54,2345 5020,2345 v1(5095,2270)
lte_pwr_ctrl: R135.1 U2.8 | length 2481.9
  Top Layer w10: U2.8@5056.22,1908.46 5056.22,1773.78 5090,1740 v1(5120,1740) ; v2(5445,1820) 5777.67,1820 v2(5911.33,1686.33) ; v2(6065,2540) 6065,2725 6135,2795 R135.1@6275,2795
  Bottom Layer w10: v1(5120,1740) 5420,1740 5445,1765 v2(5445,1820) ; v2@5900,1675 v2(5911.33,1686.33) 6065,1840 v2(6065,2540)
MAIN_RXD: P9.2 U2.59 U34.18 | length 1779.5
  Top Layer w10: U2.59@4820,2105.32 4874.69,2105.32 v1(4875,2105) ; v1(5369.23,1950.77) v1(5444.23,1950.77) ; v1(5444.23,2244.17) 5665.83,2244.17 5705,2205 P9.2@5810,2205 5935,2205 5990,2260 U34.18@6203.07,2260
  Bottom Layer w10: v1(4875,2105) 4945,2105 5099.23,1950.77 v1(5369.23,1950.77) ; v1(5444.23,1950.77) v1(5444.23,2244.17)
MAIN_TXD: P9.3 U2.42 U34.17 | length 1307.2
  Top Layer w10: v1(5035,2470) 5036.54,2468.46 U2.42@5036.54,2400.59 ; v1(5425,2440) 5675,2440 P9.3@5810,2305 5811.69,2303.31 U34.17@6203.07,2303.31
  Bottom Layer w10: v1(5035,2470) 5395,2470 v1(5425,2440)
NetC3_1: C3.1 U1.5 | length 134.4
  Top Layer w20: C3.1@5735.98,1240 5785,1240 5810,1265 U1.5@5810,1315
NetC14_1: C14.1 U2.30 | length 141.2
  Top Layer w10: U2.30@5312.13,2262.8 5362.8,2262.8 v1(5380,2280)
  Bottom Layer w10: C14.1@5320,2265 5365,2265 v1(5380,2280)
NetC31_2: C31.2 R55.1 | length 70.9
  Bottom Layer w10: C31.2@1744.06,2835 R55.1@1815,2835
NetC32_2: C32.2 R56.1 | length 100.9
  Bottom Layer w10: C32.2@1730,1440 R56.1@1830.94,1440
NetC34_2: C34.2 R59.1 | length 85
  Bottom Layer w10: C34.2@855,2840 R59.1@940,2840
NetC35_2: C35.2 R60.1 | length 75.9
  Bottom Layer w10: C35.2@894.06,1480 R60.1@970,1480
NetC36_2: C36.2 R63.1 | length 139.9
  Bottom Layer w10: C36.2@1764.06,2165 R63.1@1830.94,2165 ; 1769.06,2145 1835,2145 1840,2140
NetC37_2: C37.2 R64.1 | length 65.9
  Bottom Layer w10: C37.2@874.06,750 R64.1@940,750
NetC38_2: C38.2 R67.1 | length 65.2
  Bottom Layer w20: C38.2@905,2160 905.47,2160.47 R67.1@970,2160.47
NetC39_2: C39.2 R68.1 | length 85.9
  Bottom Layer w10: C39.2@1740,745 R68.1@1825.94,745
NetC53_1: C53.1 P10.1 R139.2 | length 428
  Top Layer w40: R139.2@7279.06,2145 7284.06,2140 P10.1@7705,2140
NetC57_1: C57.1 D23.2 D24.2 F1.1 Q3.1 Q3.2 Q3.5 Q3.6 | length 686
  Top Layer w40: Q3.1@2957.4,689.21 2961.54,693.35 D23.2@2961.54,805 ; F1.1@3150,598.98 3150,520 3236.38,433.62 3236.38,343.85 C57.1@3240,340.23 3344.77,340.23 3398.98,286.02 D24.2@3490,286.02
NetC58_2: C58.2 D23.1 Q3.3 R147.2 | length 1051.9
  Top Layer w20: v3(2800,150) 2896.38,150 2910,136.38 C58.2@2910,134.89 ; v3(2800,790) 2805.8,795.8 2880.08,795.8 ; R147.2@2879.02,900 2880.08,898.94 2880.08,795.8 ; Q3.3@2882.6,689.21 2882.6,793.28 2880.08,795.8
  Bottom Layer w20: v3(2800,150) v3(2800,790)
NetC62_1: C62.1 R146.2 | length 180.3
  Top Layer w20: C62.1@2580.12,655 2759.01,655 R146.2@2760,655.98
NetD1_2: D1.2 R3.1 | length 95.9
  Bottom Layer w20: R3.1@4304.06,2045 D1.2@4400,2045
NetD22_2: D22.2 L1.2 U36.2 | length 467.8
  Top Layer w30: D22.2@7135,1170 7065,1240 7065,1369.04 7082.57,1386.62 U36.2@7165,1386.62 7295.51,1386.62 7296.26,1385.87 L1.2@7296.26,1385
NetD25_2: D25.2 L2.2 U37.2 | length 307.2
  Top Layer w40: L2.2@2449.37,2370 D25.2@2600,2370 2640,2410 U37.2@2740,2410
NetD26_2: D26.2 L3.2 U38.2 | length 281.5
  Top Layer w40: U38.2@3015,1236.62 3286.38,1236.62 3290.63,1240.87 L3.2@3290.63,1245
NetLED1_1: LED1.1 R4.1 | length 101.3
  Top Layer w10: LED1.1@7285,3984.06 7381.93,3984.06 R4.1@7385,3980.98
NetLED1_2: LED1.2 U2.10 | length 3807
  Top Layer w10: U2.10@5095.59,1908.46 5095.59,1965.59 v1(5135,2005) ; v1(5375,2440) v1(5375,2945) ; v1(7285,3865) LED1.2@7285,3925
  Bottom Layer w10: v1(5135,2005) 5135,2005.91 5150.99,2021.9 5361.9,2021.9 5375,2035 5375,2245 5405,2275 5405,2410 v1(5375,2440) ; v1(5375,2945) 6465,2945 6615,3095 6615,3360 7120,3865 v1(7285,3865)
NetLED2_2: LED2.2 R138.1 | length 2080.9
  Top Layer w10: R138.1@5835,2710 v1(5835,2765) ; v1(7195,3840) LED2.2@7195,3920
  Bottom Layer w10: v1(5835,2765) 6090,2765 6240,2915 6465,2915 6650,3100 6650,3340 7150,3840 v1(7195,3840)
NetP1_2: P1.2 R1.2 | length 141.1
  Top Layer w20: P1.2@5410,120 5415,125 R1.2@5415,259.02
NetQ1_1: Q1.1 R135.2 R136.2 | length 165.8
  Top Layer w10: R135.2@6275,2854.06 R136.2@6350,2854.06 6418.39,2854.06 6428.7,2864.37 Q1.1@6436.57,2864.37
NetQ1_3: Q1.3 U34.7 | length 366.8
  Top Layer w10: Q1.3@6535,2825 v1(6590,2825) ; U34.7@6535.75,2555.28 v1(6535.75,2634.25)
  Bottom Layer w10: v1(6535.75,2634.25) 6569.25,2634.25 6590,2655 v1(6590,2825)
NetQ2_1: Q2.1 R137.2 | length 76.8
  Top Layer w10: Q2.1@5853.43,2530.63 5854.06,2530 R137.2@5930,2530
NetQ2_3: Q2.3 R138.2 | length 153.3
  Top Layer w10: Q2.3@5755,2570 5762.87,2570 5769.69,2576.81 5769.69,2584.69 5775.94,2590.94 R138.2@5775.94,2710
NetR6_2: R6.2 U3.7 | length 109
  Top Layer w8: R6.2@4150,2290.98 4257.64,2290.98 U3.7@4258.62,2290
NetR7_1: R7.1 R8.2 U6.6 | length 163.6
  Top Layer w10: U6.6@7080.71,727.72 7080.71,659.29 7095,645 v1(7105,645)
  Bottom Layer w10: R8.2@7075.71,645 R7.1@7140.71,645
NetR7_2: R7.2 R9.1 U6.7 | length 285.7
  Top Layer w10: v1(7130.71,769.29) U6.7@7130.71,727.72 7130.71,649.29 7140,640 v1(7140,555)
  Bottom Layer w10: v1(7130.71,769.29) 7132.14,770.71 R9.1@7132.14,805 ; v1(7140,555) 7140.71,555.71 R7.2@7140.71,585.94
NetR10_1: R10.1 U6.1 U6.2 | length 401.8
  Top Layer w10: U6.2@6880.71,727.72 U6.1@6830.71,727.72 6830.71,639.29 6925,545 v1(7015,545)
  Bottom Layer w10: v1(7015,545) R10.1@7015,585
NetR10_2: R10.2 R11.1 U6.5 | length 188.5
  Top Layer w10: v1(6980,645) 7015,645 7030.71,660.71 U6.5@7030.71,727.72
  Bottom Layer w10: R11.1@6950.71,644.06 R10.2@7015,644.06
NetR13_1: R13.1 R14.2 U6.13 | length 238.5
  Top Layer w10: v1(6780,865) 6865,865 6880.71,880.71 U6.13@6880.71,942.28
  Bottom Layer w10: R14.2@6745,865 6813.34,865 R13.1@6814.29,864.06
NetR13_2: R13.2 R15.1 U6.14 | length 353.4
  Top Layer w10: v1(6785,805) 6767.84,805 6743.11,829.74 6743.11,878.11 6760,895 6820,895 6830.71,905.71 U6.14@6830.71,942.28 v1(6830.71,994.29)
  Bottom Layer w10: v1(6785,805) R13.2@6814.29,805 ; R15.1@6830,1030 6830.71,1029.29 v1(6830.71,994.29)
NetR16_1: R16.1 U6.8 U6.9 | length 235.6
  Top Layer w10: v1(7040,815) 7040.18,815.18 7055.18,815.18 7080.71,840.71 U6.9@7080.71,942.28 U6.8@7130.71,942.28
  Bottom Layer w10: v1(7040,815) 7041.91,813.09 7060.48,813.09 R16.1@7068.57,805
NetR16_2: R16.2 R18.1 U6.12 | length 236.8
  Top Layer w10: U6.12@6930.71,942.28 6930.71,879.29 6945,865 v1(7035,865)
  Bottom Layer w10: R18.1@7005,864.06 R16.2@7068.57,864.06
NetR17_1: R17.1 R20.2 U7.6 | length 158.9
  Top Layer w10: U7.6@5705,722.72 5705,670 5720,655 v1(5745,655)
  Bottom Layer w10: R20.2@5715,655 R17.1@5775,655
NetR17_2: R17.2 R21.1 U7.7 | length 453.8
  Top Layer w10: U7.7@5755,722.72 5755,709.67 5765.5,699.17 5765.83,699.17 5775,690 v1(5775,565)
  Bottom Layer w10: R21.1@5752.5,795 5752.5,762.5 5815,700 5815,610 5800.94,595.94 R17.2@5775,595.94 v1(5775,565)
NetR22_1: R22.1 U7.1 U7.2 | length 186
  Top Layer w10: v1(5455,660) 5485,660 5505,680 U7.2@5505,722.72 U7.1@5455,722.72
  Bottom Layer w10: v1(5455,660) R22.1@5490,660
NetR22_2: R22.2 R23.1 U7.5 | length 561.9
  Top Layer w10: U7.5@5655,722.72 v1(5655,794.24)
  Bottom Layer w10: R22.2@5490,600.94 5424.06,600.94 5405,620 5405,685 5435,715 5610,715 5627.5,732.5 R23.1@5627.5,795 5627.88,794.62 5654.62,794.62 v1(5655,794.24)
NetR25_1: R25.1 R26.2 U5.6 | length 136.9
  Top Layer w10: v1(7700,650) 7710,660 U5.6@7710,717.72
  Bottom Layer w10: R26.2@7670,650 R25.1@7735,650
NetR25_2: R25.2 R27.1 U5.7 | length 484.8
  Top Layer w10: v1(7735,555) 7760,580 U5.7@7760,717.72
  Bottom Layer w10: R27.1@7710,740.94 7710,705 7725,690 7755,690 7785,660 7785,570 7770,555 v1(7735,555) R25.2@7735,590.94
NetR28_1: R28.1 U5.1 U5.2 | length 261.1
  Top Layer w10: U5.1@7460,717.72 U5.2@7510,717.72 7510,585 v1(7540,555)
  Bottom Layer w10: v1(7540,555) R28.1@7540,590.94
NetR28_2: R28.2 R30.1 U5.5 | length 213.9
  Top Layer w10: v1(7570,650) 7645,650 7660,665 U5.5@7660,717.72
  Bottom Layer w10: R28.2@7540,650 R30.1@7605,650
NetR29_1: R29.1 R32.2 U7.13 | length 171
  Top Layer w10: v1(5470,855) 5490,855 5505,870 U7.13@5505,937.28
  Bottom Layer w10: R29.1@5440,854.06 R32.2@5502.5,854.06
NetR29_2: R29.2 R33.1 U7.14 | length 223.4
  Top Layer w10: v1(5410,795) 5410,840 5455,885 U7.14@5455,937.28
  Bottom Layer w10: R33.1@5377.5,795 R29.2@5440,795
NetR34_1: R34.1 U7.8 U7.9 | length 261.4
  Top Layer w10: v1(5620,1010) 5685,1010 5705,990 U7.9@5705,937.28 U7.8@5755,937.28
  Bottom Layer w10: R34.1@5619.06,945 5619.06,1009.06 v1(5620,1010)
NetR34_2: R34.2 R35.1 U7.12 | length 144.4
  Top Layer w10: v1(5555,890) U7.12@5555,937.28
  Bottom Layer w10: R34.2@5560,945 5560,897.71 5555,892.71 v1(5555,890) 5555,889.52 5565,879.52 R35.1@5565,854.06
NetR37_1: R37.1 R38.2 U5.13 | length 268.3
  Top Layer w10: v1(7440,865) 7495,865 7510,880 U5.13@7510,932.28
  Bottom Layer w10: R38.2@7410,800 7410,835 7464.14,889.14 7464.14,909.14 R37.1@7470,915
NetR37_2: R37.2 R39.1 U5.14 | length 120.3
  Top Layer w10: v1(7410,945) 7422.72,932.28 U5.14@7460,932.28
  Bottom Layer w10: R37.2@7410.94,915 R39.1@7410.94,980
NetR40_1: R40.1 U5.8 U5.9 | length 401.4
  Top Layer w10: v1(7710,850) U5.9@7710,932.28 U5.8@7760,932.28
  Bottom Layer w10: R40.1@7530,740.94 7555.94,740.94 7563.27,748.27 7563.27,823.27 7590,850 v1(7710,850)
NetR40_2: R40.2 R42.1 U5.12 | length 204.7
  Top Layer w10: v1(7530,840) 7560,870 U5.12@7560,932.28
  Bottom Layer w10: R42.1@7470,800 R40.2@7530,800 v1(7530,840)
NetR41_1: R41.1 R44.2 U8.6 | length 181.2
  Top Layer w10: v1(6411.21,645) 6450,645 6470,665 U8.6@6470,717.72
  Bottom Layer w10: R44.2@6380.71,645 R41.1@6442.14,645
NetR41_2: R41.2 R45.1 U8.7 | length 235.4
  Top Layer w10: v1(6470,585) 6505,585 6520,600 U8.7@6520,717.72
  Bottom Layer w10: R41.2@6442.14,585.94 R45.1@6503.57,585.94
NetR46_1: R46.1 U8.1 U8.2 | length 338.7
  Top Layer w10: U8.2@6270,717.72 U8.1@6220,717.72 6220,560 6230,550 v1(6305,550)
  Bottom Layer w10: v1(6305,550) 6318.02,563.02 6318.02,584.68 R46.1@6319.29,585.94
NetR46_2: R46.2 R47.1 U8.5 | length 234.9
  Top Layer w10: v1(6290,645) 6370,645 6414.03,689.03 6414.03,691.33 6420,697.3 U8.5@6420,717.72
  Bottom Layer w10: R47.1@6257.86,645 R46.2@6319.29,645
NetR49_1: R49.1 R50.2 U8.13 | length 327.7
  Top Layer w10: v1(6250,875) 6270,895 U8.13@6270,932.28
  Bottom Layer w10: R49.1@6249.29,845 6249.29,874.29 6270,895 6415,895 6435.71,874.29 R50.2@6435.71,845
NetR49_2: R49.2 R51.1 U8.14 | length 261.8
  Top Layer w10: v1(6160,785) 6220,845 U8.14@6220,932.28
  Bottom Layer w10: v1(6160,785) 6160.47,785.47 6186.67,785.47 R51.1@6187.14,785.94 R49.2@6249.29,785.94
NetR52_1: R52.1 U8.8 U8.9 | length 305.7
  Top Layer w10: v1(6340,805) 6355,820 6420,820 6470,870 U8.9@6470,932.28 U8.8@6520,932.28
  Bottom Layer w10: R52.1@6311.43,785.94 6320.21,794.72 6329.14,794.72 6339.42,805 v1(6340,805)
NetR52_2: R52.2 R53.1 U8.12 | length 157.7
  Top Layer w10: U8.12@6320,932.28 6320,885 6340,865 v1(6340,845)
  Bottom Layer w10: R52.2@6311.43,845 R53.1@6373.57,845